# Altium PCB PCB1.PcbDoc (part 4 of 4)
Units mm, origin at the board's own origin, x right, y up, seen from the top; angles counter-clockwise.
Board outline 58.36 x 29.25 mm, 4 copper layers (Top Layer, Int1 (GND), Int2 (PWR), Bottom Layer), stack 1.586 mm thick; 90 components, 72 nets, 321 pads, 257 vias.
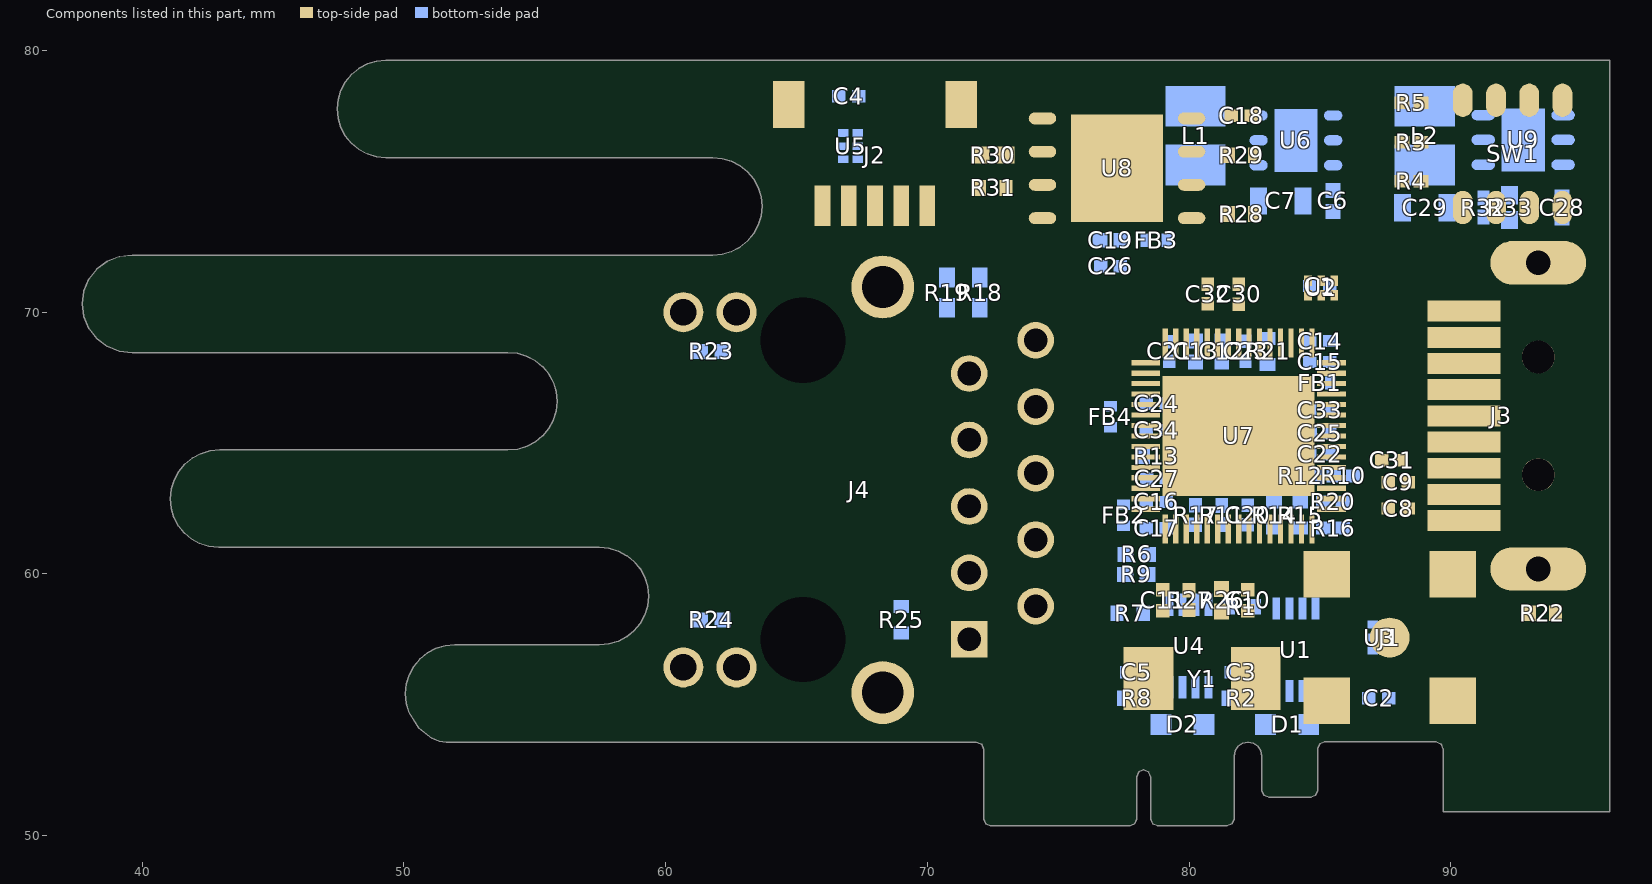
[diagram p6: the components of this part, seen from the top]

## Via types
v1: diameter 0.5, hole 0.3, Top Layer to Bottom Layer, tented both sides, 181 vias
v2: diameter 0.6, hole 0.3, Top Layer to Bottom Layer, tented bottom, 32 vias
v3: diameter 0.6, hole 0.3, Top Layer to Bottom Layer, tented both sides, 14 vias
v4: diameter 0.4, hole 0.3, Top Layer to Bottom Layer, tented both sides, 11 vias
v5: diameter 0.48, hole 0.3, Top Layer to Bottom Layer, tented both sides, 10 vias
v6: diameter 0.45, hole 0.3, Top Layer to Bottom Layer, tented both sides, 5 vias
v7: diameter 0.5, hole 0.3, Top Layer to Bottom Layer, tented bottom, 2 vias
v8: diameter 0.5, hole 0.3, Top Layer to Bottom Layer, 2 vias

## Nets (pads, with @x,y where several pads share a name; then routed paths per layer and width w, separated by ;. In a path a pad name is that pad's centre, name@x,y a point inside that pad or via, vN(x,y) a via of type N, cw(c..) or ccw(c..) an arc to the next point about the centre after c; other vN are vias at no path point) (continued)
copper on no net: (continued)
  Bottom Layer w0.013: 59.867,78.123 59.901,78.133 59.985,78.136 60.073,78.134 60.12,78.125 60.129,78.088 60.132,78.017 60.132,77.921 60.038,77.921 59.944,77.921 59.908,78.016 59.867,78.123 ; 59.867,78.251 59.872,78.364 59.881,78.388 59.898,78.4 60,78.403 60.088,78.395 60.126,78.378 60.129,78.269 60.123,78.181 59.998,78.181 59.873,78.181 59.867,78.251 ; 59.871,76.977 59.873,77.049 59.881,77.079 59.996,76.979 60.1,76.878 59.986,76.876 59.873,76.875 59.871,76.977 ; 59.87,78.795 59.871,78.861 59.879,78.888 59.988,78.861 60.062,78.838 60.106,78.814 60.127,78.785 60.129,78.747 60.123,78.721 60.107,78.707 59.998,78.701 59.873,78.701 59.87,78.795 ; 59.873,76.622 59.873,76.721 59.873,76.819 59.99,76.824 60.076,76.824 60.12,76.817 60.129,76.783 60.132,76.718 60.127,76.659 60.118,76.64 60.104,76.626 60.052,76.614 59.961,76.617 59.873,76.622 ; 59.935,78.153 59.962,78.166 60.023,78.172 60.086,78.17 60.121,78.159 60.098,78.148 60.032,78.14 59.961,78.141 59.942,78.146 59.935,78.153 ; 59.982,77.871 60.009,77.884 60.055,77.885 60.101,77.877 60.125,77.861 60.129,77.749 60.117,77.677 60.105,77.662 60.086,77.656 60.066,77.658 60.048,77.671 60.011,77.753 59.987,77.83 59.982,77.871 ; 60.063,77.607 60.069,77.616 60.088,77.617 60.11,77.609 60.125,77.591 60.129,77.515 60.122,77.464 60.091,77.534 60.063,77.607 ; 60.092,77.645 60.113,77.618 60.142,77.596 60.151,77.598 60.157,77.608 60.168,77.619 60.193,77.628 60.279,77.639 60.392,77.646 60.271,77.649 60.15,77.653 60.147,77.738 60.144,77.823 60.137,77.738 60.126,77.673 60.117,77.658 60.104,77.653 60.094,77.651 60.092,77.645 ; 60.108,77.897 60.115,77.913 60.128,77.956 60.132,78.044 60.131,78.298 60.132,78.432 60.303,78.432 60.423,78.428 60.473,78.418 60.466,78.409 60.45,78.407 60.288,78.407 60.147,78.405 60.151,78.275 60.152,77.996 60.146,77.876 60.138,77.864 60.123,77.874 60.108,77.897 ; 60.141,77.377 60.279,77.38 60.393,77.389 60.42,77.4 60.436,77.415 60.449,77.431 60.454,77.426 60.445,77.398 60.413,77.379 60.356,77.37 60.273,77.37 60.141,77.377 ; 60.159,77.626 60.285,77.631 60.378,77.631 60.424,77.624 60.393,77.616 60.302,77.615 60.168,77.619 60.165,77.555 60.161,77.491 60.16,77.559 60.159,77.626 ; 60.159,77.912 60.289,77.913 60.419,77.914 60.292,77.917 60.165,77.921 60.169,78.042 60.166,78.275 60.164,78.3 60.162,78.285 60.16,78.15 60.159,77.912 ; 60.16,76.597 60.204,76.608 60.291,76.613 60.378,76.61 60.426,76.6 60.42,76.595 60.393,76.59 60.295,76.584 60.195,76.586 60.167,76.591 60.16,76.597 ; 60.167,76.613 60.172,76.722 60.177,76.831 60.222,76.784 60.335,76.676 60.402,76.613 60.284,76.613 60.167,76.613 ; 60.166,77.651 60.172,77.764 60.177,77.877 60.289,77.883 60.379,77.882 60.401,77.875 60.411,77.862 60.416,77.749 60.41,77.662 60.288,77.656 60.166,77.651 ; 60.167,78.4 60.293,78.403 60.419,78.407 60.419,78.307 60.419,78.195 60.384,78.185 60.298,78.181 60.177,78.181 60.172,78.291 60.167,78.4 ; 60.168,77.402 60.168,77.509 60.168,77.617 60.294,77.617 60.419,77.617 60.419,77.509 60.419,77.402 60.294,77.402 60.168,77.402 ; 60.168,77.921 60.292,77.921 60.416,77.921 60.422,78.022 60.421,78.129 60.291,78.136 60.168,78.136 60.168,78.029 60.168,77.921 ; 60.168,78.441 60.298,78.441 60.428,78.441 60.428,78.549 60.428,78.656 60.298,78.656 60.168,78.656 60.168,78.549 60.168,78.441 ; 60.172,77.334 60.189,77.353 60.232,77.363 60.304,77.366 60.419,77.366 60.419,77.249 60.419,77.133 60.333,77.133 60.286,77.134 60.257,77.142 60.239,77.159 60.223,77.191 60.196,77.267 60.18,77.308 60.172,77.334 ; 60.177,78.748 60.177,78.795 60.267,78.755 60.319,78.727 60.331,78.708 60.305,78.698 60.24,78.698 60.207,78.701 60.188,78.709 60.179,78.723 60.177,78.748 ; 60.186,78.156 60.196,78.164 60.222,78.169 60.301,78.172 60.382,78.166 60.41,78.16 60.423,78.152 60.419,78.143 60.399,78.137 60.308,78.135 60.222,78.143 60.186,78.156 ; 60.264,77.08 60.272,77.089 60.336,77.094 60.416,77.094 60.422,76.996 60.422,76.922 60.413,76.883 60.387,76.872 60.357,76.883 60.329,76.913 60.306,76.96 60.267,77.064 60.264,77.08 ; 60.367,76.812 60.373,76.825 60.39,76.828 60.41,76.811 60.423,76.764 60.424,76.716 60.417,76.695 60.403,76.703 60.385,76.741 60.367,76.812 ; 60.368,77.892 60.393,77.904 60.422,77.929 60.438,77.977 60.442,77.987 60.446,77.969 60.45,77.863 60.448,77.742 60.439,77.696 60.431,77.727 60.43,77.788 60.427,77.859 60.416,77.874 60.396,77.882 60.368,77.892 ; 60.389,76.856 60.41,76.871 60.443,76.879 60.554,76.865 60.661,76.854 60.538,76.846 60.407,76.847 60.389,76.856 ; 60.423,78.67 60.437,78.674 60.472,78.66 60.518,78.628 60.549,78.599 60.527,78.61 60.47,78.637 60.458,78.631 60.452,78.611 60.449,78.602 60.447,78.616 60.441,78.642 60.428,78.66 60.423,78.67 ; 60.429,76.981 60.433,76.934 60.444,76.905 60.452,76.919 60.455,76.969 60.45,77.021 60.44,77.043 60.431,77.024 60.429,76.981 ; 60.443,77.641 60.477,77.649 60.577,77.653 60.722,77.653 60.729,77.756 60.735,77.82 60.735,77.733 60.738,77.651 60.742,77.631 60.748,77.63 60.79,77.647 60.886,77.653 61.01,77.653 61.01,77.745 61.013,77.808 61.018,77.83 61.027,77.796 61.033,77.736 61.033,77.678 61.025,77.653 61.015,77.646 61.01,77.632 61.014,77.621 61.023,77.623 61.029,77.601 61.028,77.532 61.021,77.429 61.011,77.527 61.002,77.626 60.886,77.631 60.79,77.63 60.764,77.622 60.749,77.608 60.73,77.589 60.717,77.608 60.706,77.622 60.683,77.631 60.58,77.633 60.488,77.634 60.443,77.641 ; 60.464,76.818 60.466,76.821 60.485,76.824 60.561,76.827 60.676,76.828 60.641,76.789 60.548,76.696 60.484,76.65 60.476,76.673 60.476,76.73 60.475,76.789 60.464,76.818 ; 60.464,76.839 60.566,76.843 60.641,76.841 60.677,76.831 60.673,76.81 60.647,76.781 60.607,76.748 60.641,76.787 60.674,76.826 60.569,76.833 60.464,76.839 ; 60.464,77.628 60.585,77.631 60.682,77.628 60.706,77.621 60.717,77.609 60.719,77.533 60.712,77.504 60.709,77.549 60.706,77.615 60.585,77.621 60.464,77.628 ; 60.466,78.544 60.473,78.637 60.589,78.538 60.697,78.44 60.583,78.445 60.468,78.45 60.466,78.544 ; 60.469,77.053 60.473,77.087 60.595,77.096 60.708,77.1 60.702,76.989 60.697,76.877 60.589,76.877 60.482,76.877 60.473,76.98 60.469,77.053 ; 60.471,77.609 60.592,77.617 60.706,77.617 60.706,77.505 60.706,77.393 60.594,77.393 60.482,77.393 60.473,77.497 60.471,77.609 ; 60.471,77.886 60.586,77.886 60.707,77.878 60.709,77.761 60.703,77.651 60.592,77.656 60.482,77.662 60.476,77.774 60.471,77.886 ; 60.473,77.133 60.473,77.249 60.473,77.366 60.589,77.366 60.706,77.366 60.706,77.249 60.706,77.133 60.589,77.133 60.473,77.133 ; 60.473,77.921 60.473,78.029 60.473,78.136 60.586,78.136 60.707,78.129 60.709,78.022 60.703,77.921 60.588,77.921 60.473,77.921 ; 60.473,78.172 60.57,78.172 60.653,78.175 60.695,78.189 60.706,78.203 60.71,78.225 60.709,78.295 60.703,78.399 60.588,78.398 60.507,78.393 60.473,78.383 60.473,78.271 60.473,78.172 ; 60.484,78.157 60.519,78.169 60.582,78.172 60.643,78.167 60.67,78.153 60.663,78.146 60.643,78.141 60.572,78.139 60.506,78.146 60.484,78.157 ; 60.486,77.118 60.513,77.126 60.581,77.13 60.653,77.129 60.692,77.123 60.669,77.114 60.597,77.111 60.486,77.118 ; 60.529,78.415 60.593,78.419 60.667,78.429 60.684,78.439 60.691,78.455 60.699,78.471 60.707,78.468 60.717,78.44 60.705,78.422 60.67,78.414 60.607,78.413 60.529,78.415 ; 60.663,77.892 60.702,77.89 60.746,77.897 60.753,77.905 60.751,77.917 60.739,78.026 60.736,78.11 60.725,78.013 60.709,77.933 60.697,77.914 60.679,77.903 60.663,77.892 ; 60.724,77.324 60.73,77.319 60.743,77.335 60.757,77.35 60.78,77.359 60.868,77.366 60.937,77.363 60.957,77.358 60.969,77.348 60.97,77.31 60.947,77.238 60.932,77.188 60.932,77.177 60.936,77.178 60.956,77.217 60.981,77.284 61.001,77.354 61.009,77.4 61.006,77.416 60.999,77.406 60.984,77.395 60.955,77.387 60.873,77.382 60.791,77.391 60.762,77.4 60.748,77.411 60.738,77.428 60.728,77.43 60.728,77.416 60.74,77.395 60.752,77.373 60.743,77.357 60.729,77.343 60.724,77.324 ; 60.729,76.924 60.728,76.994 60.735,77.088 60.738,77.001 60.746,76.934 60.755,76.923 60.769,76.924 60.789,76.928 60.795,76.919 60.787,76.901 60.765,76.88 60.746,76.867 60.748,76.878 60.752,76.893 60.742,76.9 60.734,76.906 60.729,76.924 ; 60.745,77.965 60.746,78.023 60.752,78.062 60.758,77.993 60.759,77.932 60.756,77.92 60.752,77.924 60.745,77.965 ; 60.76,77.133 60.76,77.249 60.76,77.366 60.857,77.366 60.929,77.361 60.965,77.35 60.96,77.309 60.936,77.233 60.913,77.176 60.894,77.146 60.869,77.135 60.829,77.133 60.76,77.133 ; 60.76,77.512 60.76,77.617 60.875,77.617 60.96,77.612 61.001,77.599 61.005,77.561 61,77.493 60.988,77.405 60.881,77.399 60.767,77.4 60.76,77.512 ; 60.76,77.651 60.881,77.656 61.002,77.662 60.999,77.748 60.986,77.86 60.975,77.872 60.953,77.88 60.868,77.886 60.76,77.886 60.76,77.768 60.76,77.651 ; 60.76,77.921 60.76,78.029 60.76,78.136 60.829,78.136 60.869,78.135 60.894,78.123 60.913,78.093 60.936,78.036 60.975,77.929 60.867,77.921 60.76,77.921 ; 60.76,78.244 60.761,78.204 60.767,78.183 60.784,78.174 60.813,78.172 60.85,78.174 60.864,78.184 60.857,78.209 60.83,78.255 60.798,78.299 60.776,78.312 60.764,78.294 60.76,78.244 ; 60.763,77.008 60.769,76.927 60.816,76.998 60.847,77.053 60.855,77.083 60.837,77.092 60.803,77.093 60.778,77.089 60.766,77.077 60.763,77.008
  Bottom Layer w0.2: 60.755,61.479 60.763,61.422 60.78,61.369 61.068,61.081 61.123,61.062 61.18,61.056 62.537,61.056 62.581,61.071 62.596,61.115 62.596,63.185 62.578,63.227 62.537,63.244 61.181,63.244 61.124,63.235 61.069,63.218 60.779,62.932 60.763,62.881 60.755,62.824 60.755,61.479 ; 61.308,61.584 62.044,61.584 62.044,62.713 61.775,62.713 61.308,62.713 61.308,61.584 ; 62.825,61.069 62.829,61.104 63.217,61.752 62.929,62.046 62.907,62.095 62.898,62.14 62.898,62.823 62.905,62.879 62.923,62.932 63.21,63.22 63.265,63.237 63.323,63.245 64.678,63.245 64.72,63.228 64.738,63.185 64.738,61.114 64.723,61.069 64.678,61.054 64.246,61.054 64.202,61.069 64.187,61.114 64.187,61.696 64.183,61.708 64.171,61.712 63.817,61.712 63.796,61.699 63.445,61.104 63.408,61.069 63.357,61.054 62.86,61.054 62.825,61.069 ; 63.451,62.203 64.208,62.203 64.208,62.735 63.451,62.735 63.451,62.203 ; 63.75,65.17 63.768,65.13 63.808,65.114 64.856,65.114 64.869,65.111 64.873,65.098 64.873,64.758 64.858,64.745 63.966,64.745 63.924,64.727 63.908,64.685 63.908,64.373 63.923,64.328 63.967,64.313 64.858,64.313 64.869,64.309 64.873,64.298 64.873,63.959 64.858,63.944 63.809,63.944 63.769,63.927 63.752,63.884 63.752,63.493 63.769,63.451 63.811,63.434 65.002,63.434 65.058,63.44 65.111,63.459 65.4,63.746 65.419,63.8 65.425,63.856 65.425,65.202 65.419,65.258 65.4,65.311 65.112,65.599 65.058,65.616 65.002,65.624 63.81,65.624 63.768,65.607 63.75,65.565 63.75,65.17 ; 64.96,61.114 64.977,61.074 65.02,61.058 65.455,61.058 65.496,61.074 65.511,61.115 65.511,61.679 65.528,61.719 65.571,61.735 66.19,61.735 66.231,61.719 66.248,61.679 66.248,61.115 66.264,61.074 66.304,61.058 66.74,61.058 66.78,61.074 66.797,61.114 66.797,61.88 66.246,62.426 66.246,62.203 65.51,62.203 65.51,62.757 65.972,62.757 65.476,63.248 65.385,63.248 65.327,63.241 65.272,63.223 64.984,62.935 64.967,62.881 64.96,62.823 64.96,61.114 ; 65.668,63.396 65.692,63.277 65.759,63.176 67.151,61.8 67.24,61.889 67.275,61.935 67.302,61.986 67.302,62.394 67.276,62.443 67.242,62.489 67.129,62.601 66.219,63.499 66.219,66.832 66.093,66.832 66.035,66.828 65.981,66.81 65.693,66.523 65.675,66.469 65.668,66.412 65.668,63.396 ; 66.39,65.623 66.39,65.092 66.569,65.092 66.569,63.493 66.585,63.45 66.625,63.433 67.02,63.433 67.062,63.451 67.079,63.493 67.079,65.092 67.429,65.092 67.429,63.493 67.445,63.448 67.489,63.433 67.921,63.433 67.965,63.448 67.98,63.493 67.98,65.564 67.963,65.606 67.922,65.623 66.39,65.623 ; 67.051,62.773 67.068,62.73 67.11,62.713 68.116,62.713 68.158,62.697 68.175,62.657 68.175,61.643 68.158,61.6 68.118,61.583 67.114,61.583 67.071,61.568 67.054,61.527 67.054,61.114 67.071,61.072 67.114,61.055 68.303,61.055 68.359,61.061 68.412,61.08 68.7,61.368 68.719,61.421 68.725,61.477 68.725,62.823 68.719,62.879 68.7,62.932 68.412,63.22 68.367,63.237 68.331,63.245 67.11,63.245 67.068,63.228 67.051,63.185 67.051,62.773 ; 68.23,63.493 68.245,63.448 68.29,63.433 68.721,63.433 68.766,63.448 68.781,63.493 68.781,65.564 68.765,65.608 68.721,65.623 68.29,65.623 68.245,65.608 68.23,65.563 68.23,63.493 ; 68.915,65.151 68.932,65.109 68.974,65.092 69.418,65.092 69.458,65.076 69.475,65.036 69.475,63.493 69.491,63.451 69.531,63.434 69.969,63.434 70.01,63.451 70.027,63.493 70.027,65.035 70.042,65.076 70.083,65.092 70.526,65.092 70.568,65.109 70.586,65.151 70.586,65.564 70.571,65.607 70.529,65.623 68.974,65.623 68.932,65.606 68.915,65.563 68.915,65.151

## Polygon pours and split planes (outlines as drawn)
GND on Top Layer "GND_L01_P042" (solid, remove dead copper, pour order 42): 96.75,79.75 36.5,79.75 36.5,49 96.75,49
GND on Top Layer "GND_L01_P021" (solid, remove dead copper, pour order 21): 90.975,63.425 90.975,62.65 92.65,62.65 93.975,63.975 93.8,64.15 93.8,67.075 93.425,67.45 90.95,67.45
VBUS_+5V on Top Layer "VBUS_+5V_L01_P012" (solid, remove dead copper, pour order 12): 91.775,68.625 93.425,68.625 93.425,71.2 91.775,71.2
VCCK10 on Int2 (PWR) "VCCK10_L03_P035" (solid, remove dead copper, pour order 35): 92,77.055 85.174,77.055 85.174,56 92,56
DVDD_33 on Int2 (PWR) "DVDD_33_L03_P043" (solid, remove dead copper, pour order 43): 85.5,79.487 36.75,79.487 36.75,59.882 85.5,59.882
VBUS_+5V on Int2 (PWR) "VBUS_+5V_L03_P039" (solid, remove dead copper, pour order 39): 44.75,79.629 96.077,79.629 96.077,77.055 44.75,77.055
VBUS_+5V on Int2 (PWR) "VBUS_+5V_L03_P034" (solid, remove dead copper, pour order 34): 50.054,59.882 93.75,59.882 93.75,50.382 50.054,50.382
DVDD_1.85 on Int2 (PWR) "DVDD_1.85_L03_P033" (solid, remove dead copper, pour order 33): 79.75,71 79.75,70.25 81.466,70.25 81.466,68.75 86,68.75 86,66.75 87.5,66.75 87.5,65.5 88.75,65.5 88.75,58.75 82.5,58.75 82.5,57.75 89.705,57.75 89.705,71
VCCK10 on Int2 (PWR) "VCCK10_L03_P041" (solid, remove dead copper, pour order 41): 85.25,71.125 85.25,72.721 79.75,72.721 79.75,71.125
VCCK10 on Int2 (PWR) "VCCK10_L03_P046" (solid, remove dead copper, pour order 46): 85.25,59.531 85.25,62.25 81.466,62.25 81.466,59.531
VBUS_+5V on Int2 (PWR) "VBUS_+5V_L03_P022" (solid, pour order 22): 85.132,79.415 85.132,74.415 87.5,74.415 87.5,79.415
VBUS_+5V on Int2 (PWR) "VBUS_+5V_L03_P040" (solid, remove dead copper, pour order 40): 96.1,50.913 96.1,79.487 91.727,79.487 91.727,50.913
DVDD_33 on Int2 (PWR) "DVDD_33_L03_P024" (solid, pour order 24): 70.25,61.25 70.25,56.25 75.5,56.25 75.5,61.25
AVDD_1.85 on Int2 (PWR) "AVDD_1.85_L03_P038" (solid, remove dead copper, pour order 38): 87.25,65.125 87.25,66.599 76.5,66.599 76.5,65.125
VCORE_LDO on Int2 (PWR) "VCORE_LDO_L03_P037" (solid, remove dead copper, pour order 37): 85.75,66.975 85.75,68.515 80.25,68.515 80.25,66.975
DVDD_33 on Int2 (PWR) "DVDD_33_L03_P036" (solid, remove dead copper, pour order 36): 87.744,62.25 87.744,64.868 82.244,64.868 82.244,62.25
AVDD_33 on Int2 (PWR) "AVDD_33_L03_P031" (solid, remove dead copper, pour order 31): 77,70.807 77,61.25 88.5,61.25 88.5,65.25 87.25,65.25 87.25,62 78,62 78,70.807
GND on Int1 (GND) "GND_L02_P044" (solid, remove dead copper, pour order 44): 96.75,79.75 36.5,79.75 36.5,49 96.75,49
GND on Int1 (GND) "GND_L02_P020" (solid, remove dead copper, pour order 20): 37.55,84.525 38.45,83.625 98.675,83.625 98.675,45.35 98.525,45.2 37.775,45.2
GND on Bottom Layer "GND_L04_P045" (solid, remove dead copper, pour order 45): 96.745,79.763 36.495,79.763 36.495,49.013 96.745,49.013
DVDD_33 on Bottom Layer "DVDD_33_L04_P030" (solid, remove dead copper, pour order 30): 83,76 81.75,76 81.75,76.5 79,76.5 79,73.25 83,73.25
VBUS_+5V on Bottom Layer "VBUS_+5V_L04_P027" (solid, remove dead copper, pour order 27): 87,79.75 85.066,79.75 85.113,76.865 85.066,74 87,74
VCCK10 on Bottom Layer "VCCK10_L04_P029" (solid, remove dead copper, pour order 29): 90.25,76.5 90.25,74.75 89.25,74.75 89.25,71.75 87.25,71.75 87.25,76.5
NetL1_1 on Bottom Layer "NETL1_1_L04_P028" (solid, remove dead copper, pour order 28): 83,77 83,79 79,79 79,77
NetL2_1 on Bottom Layer "NETL2_1_L04_P026" (solid, remove dead copper, pour order 26): 91.75,77 91.75,79 87.5,79 87.5,77
VBUS_+5V on Bottom Layer "VBUS_+5V_L04_P025" (solid, remove dead copper, pour order 25): 96.25,79.75 93.816,79.75 93.863,76.865 93.816,74 96.25,74

## Keep-outs
Keep-Out Layer:
  lines w0.2: 42.922,61.015 42.922,61.015 ; 42.922,61.015 42.549,61.055 42.202,61.165 41.887,61.337 41.614,61.564 41.388,61.839 41.218,62.154 41.11,62.502 41.073,62.876 41.112,63.244 41.222,63.593 41.398,63.915 41.635,64.199 41.923,64.431 42.248,64.601 42.599,64.704 42.968,64.737 53.972,64.737 54.351,64.772 54.704,64.878 55.025,65.049 55.305,65.276 55.537,65.552 55.713,65.869 55.826,66.221 55.868,66.599 55.828,66.967 55.718,67.317 55.543,67.638 55.305,67.922 55.017,68.154 54.692,68.324 54.341,68.427 53.972,68.46 39.62,68.46 39.125,68.515 38.67,68.694 38.277,68.986 37.969,69.378 37.776,69.837 37.712,70.322 37.776,70.807 37.969,71.266 38.277,71.658 38.67,71.95 39.125,72.129 39.62,72.184 61.797,72.184 62.165,72.217 62.517,72.32 62.842,72.49 63.13,72.721 63.367,73.005 63.543,73.327 63.652,73.677 63.692,74.045 63.652,74.412 63.543,74.762 63.367,75.084 63.13,75.368 62.842,75.6 62.517,75.769 62.165,75.873 61.797,75.906 51.503,75.906 49.315,75.906 48.951,75.942 48.603,76.047 48.283,76.219 47.999,76.451 47.767,76.735 47.596,77.055 47.49,77.403 47.454,77.768 47.49,78.133 47.596,78.48 47.767,78.8 47.999,79.084 48.283,79.316 48.603,79.487 48.951,79.593 49.315,79.629 96.077,79.629 96.077,77.812 96.077,50.913 94.988,50.913 89.705,50.913 89.705,53.312 89.636,53.5 89.453,53.581 85.174,53.581 84.993,53.506 84.918,53.325 84.918,51.733 84.843,51.552 84.662,51.477 83.042,51.477 82.861,51.552 82.786,51.733 82.786,53.044 82.744,53.251 82.63,53.42 82.461,53.534 82.254,53.576 82.05,53.536 81.877,53.42 81.762,53.247 81.721,53.044 81.721,50.645 81.646,50.464 81.466,50.389 78.788,50.389 78.606,50.463 78.531,50.645 78.531,52.247 78.453,52.435 78.265,52.512 78.077,52.435 77.999,52.247 77.999,50.642 77.926,50.458 77.743,50.382 72.407,50.382 72.226,50.457 72.151,50.638 72.151,53.299 72.073,53.498 71.873,53.576 66.562,53.569 51.626,53.569 51.351,53.607 51.076,53.715 50.569,54.114 50.198,54.706 50.092,55.055 50.054,55.43 ; 42.922,61.015 57.463,61.015 57.842,60.98 58.196,60.873 58.517,60.703 58.797,60.476 59.028,60.2 59.205,59.882 59.317,59.531 59.359,59.153 59.317,58.774 59.204,58.423 59.028,58.106 58.796,57.83 58.516,57.603 58.196,57.433 57.842,57.326 57.463,57.291 51.95,57.291 51.582,57.258 51.23,57.155 50.905,56.985 50.617,56.753 50.38,56.47 50.204,56.148 50.094,55.798 50.055,55.43 ; 50.054,55.43 50.055,55.43

## Other copper
Top Layer:
  rectangle: 78.848,50.655 79.498,52.88
  rectangle: 80.731,50.655 81.381,52.88
  rectangle: 79.79,50.655 80.44,52.88
  rectangle: 76.165,50.655 76.815,52.88
  rectangle: 77.106,50.655 77.756,52.88
  rectangle: 74.282,50.655 74.932,52.88
  rectangle: 75.223,50.655 75.873,52.88
  rectangle: 73.341,50.655 73.991,52.88
  rectangle: 72.4,50.655 73.05,52.88
  text "TIME STICK 2" at 48.773,77.119 h2.1
Bottom Layer:
  rectangle: 76.165,50.68 76.815,52.905
  rectangle: 72.4,50.68 73.05,52.905
  rectangle: 73.341,50.68 73.991,52.905
  rectangle: 75.223,50.68 75.873,52.905
  rectangle: 74.282,50.68 74.932,52.905
  rectangle: 77.106,50.68 77.756,52.905
  rectangle: 79.79,50.68 80.44,52.905
  rectangle: 80.731,50.68 81.381,52.905
  rectangle: 78.848,50.68 79.498,52.905
  region: 95.064,51.955 95.064,51.492 95.415,51.492 95.415,52.806 95.064,52.806 95.064,51.973
  region: 92.991,52.788 92.899,52.788 92.899,52.769 92.862,52.769 92.862,52.751 92.825,52.751 92.825,52.732 92.806,52.732 92.806,52.714 92.788,52.714 92.788,52.695 92.769,52.695 92.769,52.677 92.751,52.677 92.751,52.658 92.732,52.658 92.732,52.603 92.714,52.603 92.714,52.529 92.695,52.529 92.695,52.381 92.714,52.381 92.714,52.288 92.732,52.288 92.732,52.251 92.751,52.251 92.751,52.214 92.769,52.214 92.769,52.177 92.788,52.177 92.788,52.159 92.806,52.159 92.806,52.14 92.825,52.14 92.825,52.122 92.843,52.122 92.843,52.103 92.862,52.103 92.862,52.085 92.88,52.085 92.88,52.066 92.917,52.066 92.917,52.048 92.954,52.048 92.954,52.029 93.028,52.029 93.028,52.01 93.343,52.01 93.343,51.492 93.676,51.492 93.676,52.806 92.991,52.806 hole: 93.139,52.584 93.343,52.584 93.343,52.196 93.213,52.196 93.213,52.214 93.158,52.214 93.158,52.233 93.121,52.233 93.121,52.251 93.102,52.251 93.102,52.27 93.084,52.27 93.084,52.307 93.065,52.307 93.065,52.325 93.065,52.344 93.047,52.344 93.047,52.492 93.065,52.492 93.065,52.529 93.084,52.529 93.084,52.547 93.102,52.547 93.102,52.566 93.139,52.566
  region: 228 vertices and 0 holes, not listed, extent 92.621,54.416 93.676,55.397
  region: 168 vertices and 0 holes, not listed, extent 91.344,51.455 92.547,52.843
  region: 249 vertices and 4 holes, not listed, extent 91.677,53.324 94.027,55.582
  region: 193 vertices and 0 holes, not listed, extent 90.271,51.455 91.233,52.843
  region: 195 vertices and 0 holes, not listed, extent 93.861,51.455 94.823,52.843
  region: 50.567,71.436 50.498,71.436 50.498,71.402 50.429,71.402 50.429,71.367 50.394,71.367 50.394,71.333 50.325,71.333 50.325,71.298 50.29,71.298 50.29,71.229 50.256,71.229 50.256,71.16 50.221,71.16 50.221,71.021 50.187,71.021 50.187,70.883 50.221,70.883 50.221,70.71 50.256,70.71 50.256,70.64 50.29,70.64 50.29,70.606 50.325,70.606 50.325,70.537 50.36,70.537 50.36,70.502 50.429,70.502 50.429,70.467 50.464,70.467 50.464,70.433 50.567,70.433 50.567,70.398 51.19,70.398 51.19,69.706 51.536,69.706 51.536,71.194 51.536,71.229 51.536,71.471 50.567,71.471 hole: 50.706,71.16 51.19,71.16 51.19,70.675 50.775,70.675 50.775,70.71 50.671,70.71 50.671,70.744 50.637,70.744 50.637,70.779 50.602,70.779 50.602,70.848 50.567,70.848 50.567,71.021 50.602,71.021 50.602,71.09 50.637,71.09 50.637,71.125 50.706,71.125
  region: 177 vertices and 0 holes, not listed, extent 48.56,69.741 50.117,71.471
  region: 43.784,71.056 43.68,71.056 43.68,71.021 43.611,71.021 43.611,70.986 43.576,70.986 43.576,70.952 43.542,70.952 43.542,70.917 43.507,70.917 43.507,70.883 43.472,70.883 43.472,70.813 43.438,70.813 43.438,69.706 43.819,69.706 43.819,69.741 43.853,69.741 43.853,69.844 43.888,69.844 43.888,69.81 43.922,69.81 43.922,69.775 43.992,69.775 43.992,69.741 44.061,69.741 44.061,69.706 44.165,69.706 44.165,69.671 44.338,69.671 44.338,69.706 44.441,69.706 44.441,69.741 44.511,69.741 44.511,69.775 44.545,69.775 44.545,69.81 44.58,69.81 44.58,69.844 44.615,69.844 44.615,69.879 44.649,69.879 44.649,69.983 44.684,69.983 44.684,70.26 44.649,70.26 44.649,70.329 44.615,70.329 44.615,70.364 44.58,70.364 44.58,70.433 44.511,70.433 44.511,70.467 44.476,70.467 44.476,70.502 44.372,70.502 44.372,70.537 44.268,70.537 44.268,70.571 43.992,70.571 43.992,70.606 43.853,70.606 43.853,70.71 43.888,70.71 43.888,70.744 43.922,70.744 43.922,70.779 44.026,70.779 44.026,70.813 44.234,70.813 44.234,70.779 44.372,70.779 44.372,70.744 44.476,70.744 44.476,70.71 44.58,70.71 44.58,71.021 44.545,71.021 44.545,71.056 44.407,71.056 44.407,71.09 43.784,71.09 hole: 43.853,70.329 44.095,70.329 44.095,70.294 44.165,70.294 44.165,70.26 44.234,70.26 44.234,70.19 44.268,70.19 44.268,70.087 44.234,70.087 44.234,70.017 44.165,70.017 44.165,69.983 43.957,69.983 43.957,70.017 43.888,70.017 43.888,70.052 43.853,70.052
  region: 47.591,71.471 47.418,71.471 47.418,71.436 47.349,71.436 47.349,71.402 47.279,71.402 47.279,71.367 47.245,71.367 47.245,71.333 47.21,71.333 47.21,71.263 47.176,71.263 47.176,71.16 47.141,71.16 47.141,71.125 47.141,71.09 47.141,71.021 47.176,71.021 47.176,70.917 47.21,70.917 47.21,70.848 47.245,70.848 47.245,70.813 47.279,70.813 47.279,70.779 47.314,70.779 47.314,70.744 47.349,70.744 47.349,70.71 47.383,70.71 47.383,70.675 47.279,70.675 47.279,70.64 47.21,70.64 47.21,70.606 47.176,70.606 47.176,70.571 47.141,70.571 47.141,70.537 47.106,70.537 47.106,70.467 47.072,70.467 47.072,70.017 47.106,70.017 47.106,69.948 47.141,69.948 47.141,69.914 47.176,69.914 47.176,69.879 47.21,69.879 47.21,69.844 47.279,69.844 47.279,69.81 47.314,69.81 47.314,69.775 47.418,69.775 47.418,69.741 47.591,69.741 47.591,69.706 48.456,69.706 48.456,71.506 47.591,71.506 hole: 47.729,70.502 48.006,70.502 48.006,70.052 47.66,70.052 47.66,70.087 47.556,70.087 47.556,70.121 47.522,70.121 47.522,70.225 47.487,70.225 47.487,70.329 47.522,70.329 47.522,70.398 47.556,70.398 47.556,70.433 47.591,70.433 47.591,70.467 47.729,70.467 hole: 47.695,71.16 48.006,71.16 48.006,70.813 47.695,70.813 47.695,70.848 47.66,70.848 47.66,70.883 47.626,70.883 47.626,71.09 47.66,71.09 47.66,71.125 47.695,71.125
  region: 226 vertices and 0 holes, not listed, extent 41.88,68.737 51.744,71.056
  region: 163 vertices and 0 holes, not listed, extent 44.58,69.706 47.037,71.506

## Silkscreen, mask and mechanical layers (free items; w line width, h text height)
Bottom Overlay:
  text "ARMANDO PINALES / JULIAN ST JAMES / AHMAD BYAGOWI / HAN WANG" at 87.25,59.617 h1.5 r270
Top Solder:
  rectangle: 71.15,50.05 87,52.875
  text "TIME STICK 2" at 48.776,77.109 h2.1
Bottom Solder:
  rectangle: 70.25,50.05 86.1,52.875
Mechanical 2:
  drawing of 182 lines, arcs and shapes, not listed
Top Component Center:
  lines w0.254: 38.635,68.636 38.242,68.928 37.934,69.319 37.741,69.778 37.677,70.264 37.741,70.749 37.934,71.208 38.242,71.6 38.635,71.891

## Text inside footprints (layer, text, board x,y; h text height)
J3: Top 3D Body "PCB Edge" at 95.567,74.295 h0.81 r90